# KiCad board Ultrasonic Sound Steering - Control Rev. B.kicad_pcb (continued)
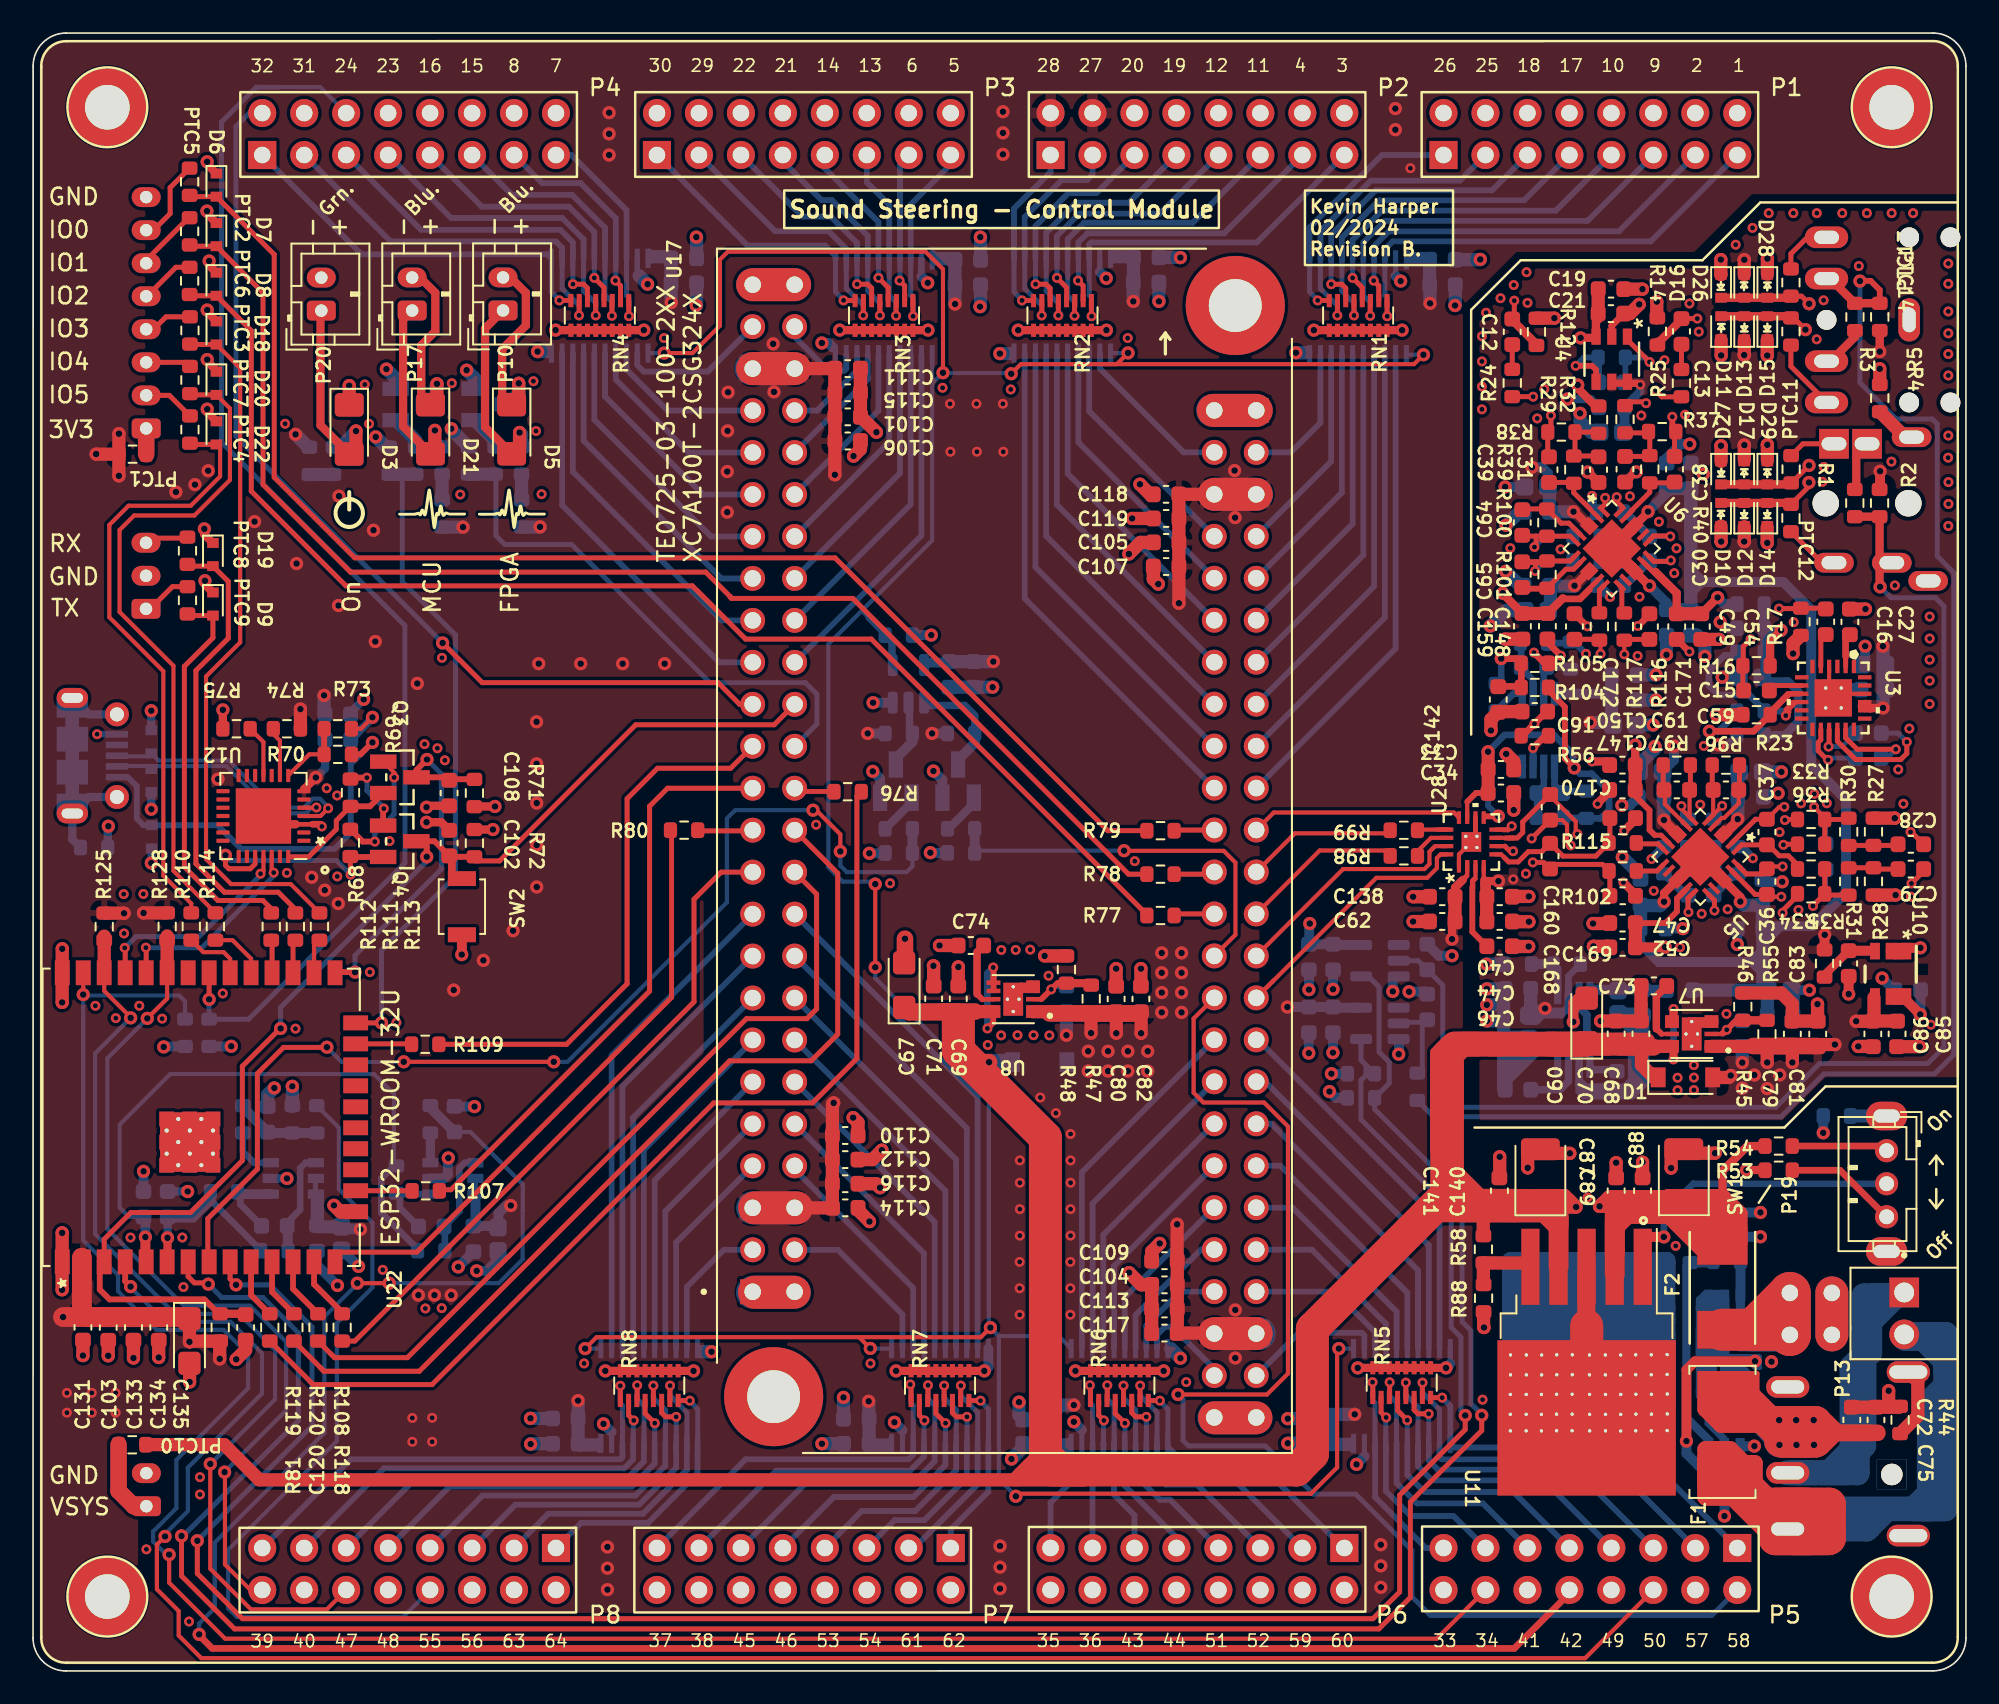
[diagram p0: board, top side]
## Routing (per net, layer and track width the routed paths; a pad name or vN(x,y) marks a point on that pad's centre or on a via; arc(x,y) is an arc through that point) (continued)
MCU_IO1: length 40.6
  Top w0.25: R114.2 11.04,45.89 8.5,48.43 8.5,60.84 5.24,64.1 5.24,69.06 6.12,69.94 9.77,69.94 11.92,72.09 11.92,76.42 D20.2
  Top w0.3: D20.2 9.57,77.24 PTC7.2
MCU_IO2: length 37.1
  Top w0.25: D22.2 11.32,74.02 11.32,72.31 9.55,70.53 5.78,70.53 4.62,69.37 4.62,63.78 7.89,60.51 7.89,48.14 9.58,46.45 R110.2
  Top w0.3: D22.2 9.57,74.24 PTC4.2
MCU_PWM_BUFF_DIS: length 67.8
  Top w0.25: v1(48.86,49.61) 48.86,50.65 47.4,52.1 v1(47.21,52.1) ; v1(22.44,36.87) v1(31.52,36.87)
  Top w0.3: 10.58,25.01 10.58,27.38 13.58,30.38 13.58,36.16 15.16,37.74 17.77,37.74 v1(17.79,37.76)
  Bottom w0.2: R82.1 53.23,49.87
  Bottom w0.25: R82.1 53.23,48.71 52.87,48.35 49.26,48.35 48.86,48.75 v1(48.86,49.61) ; v1(22.44,36.87) 22.43,36.86 18.68,36.86 v1(17.79,37.76) ; v1(47.21,52.1) 42.5,52.1 42,51.6 42,46.52 32.35,36.87 v1(31.52,36.87)
  Bottom w0.6: R82.1 R83.1
NTC: length 133.1
  Top w0.25: v1(21.56,23.47) v1(19.63,23.47)
  Top w0.4: v1(10.05,2.21) 10.05,2.16 10.85,1.36 89.66,1.36 92.99,4.7
  Top w0.5: P5.10 92.99,4.7
  Bottom w0.25: C3.2 26.48,32.63 29.64,29.46 29.64,27.87 29.64,27.87 29.64,24.92 28.19,23.47 v1(21.56,23.47) ; 24.05,34.09 R8.2 24.05,34.14 ; v1(19.63,23.47) 19.63,23.43 17.64,21.44 17.64,14.41 11,7.77 11,3.81 10.05,2.87 v1(10.05,2.21)
  Bottom w0.6: C3.2 24.05,34.09 24.05,34.14
NTC_BUFF: length 38.7
  Top w0.6: U22.5 6.8,24.81 v1(6.8,26.26)
  Bottom w0.25: 6.8,27.37 C14.2 5.81,27.48 5.25,28.04 5.25,33.07 8.31,36.13 20.64,36.13 21.84,34.93 21.84,30.57
  Bottom w0.4: 21.84,30.57 21.08,29.81 21.08,27.74 23.28,25.54 R10.2
  Bottom w0.6: 21.84,30.57 R20.2 ; v1(6.8,26.26) 6.8,27.37
OE~: length 209.3
  Top w0.25: v1(50.98,42.59) v1(50.98,47.63) 50.98,47.56 ; v1(59.21,78.52) 59.79,79.1 83.59,79.1 v1(84.16,79.67) ; v1(33.42,19.51) 34.11,20.2 50,20.2 ; 50,20.2 57.37,20.2 v1(57.95,20.78) 57.96,20.77 ; 50,20.2 v1(50.68,19.52) ; v1(55.08,78.58) 55.08,84.85 54.02,85.91 42.06,85.91 41.58,85.43 41.58,81.43 39.92,79.77 v1(38.2,79.77) ; 64.66,79.1 65.6,79.1 v1(66.28,79.78) ; v1(59.49,10.57) 59.65,10.73 77.35,10.73 78.93,12.32 78.93,19.41 v1(79.04,19.51)
  Bottom w0.2: 51.84,62.44 R123.1
  Bottom w0.25: v1(59.49,10.57) 58.46,11.6 58.46,20.27 ; v1(33.42,19.51) U20.1 ; v1(79.04,19.51) U13.1 ; U21.1 v1(38.2,79.77) ; U15.1 50.69,19.51 v1(50.68,19.52) ; v1(50.98,47.63) 50.83,47.77 49.01,47.77 48.14,48.64 48.14,62.15 54.42,68.44 54.42,77.77 ; v1(57.95,20.78) 58.46,20.27 ; v1(57.95,20.78) 57.85,20.88 57.85,35.06 50.98,41.93 v1(50.98,42.59) ; v1(57.95,20.78) 58.11,20.62 ; v1(57.95,20.78) 58.46,20.27 ; 58.46,20.27 62.07,20.27 U18.1 ; 54.42,77.77 U16.1 ; 54.42,77.77 54.42,77.93 55.06,78.56 59.17,78.56 v1(59.21,78.52) ; v1(66.28,79.78) 66.27,79.77 U19.1 ; R123.1 51.58,62.75 50.21,64.12 50.21,64.22 ; v1(84.16,79.67) U14.1
  Bottom w0.4: 51.58,62.75 50.59,63.74
  Bottom w0.45: U25.4 51.99,60.93 51.99,62.29 51.84,62.44
RST~: length 79.5
  Top w0.25: Q4.3 23.85,50.22 ; 25.8,47.96 25.91,48.07 ; 25.24,49.28 C102.2
  Top w0.3: 26.76,49.03 28.24,49.03 36.48,57.27 44.86,57.27 46.1,58.51 ; U22.3 4.31,26.13 5.93,27.75 9.53,27.75 12.67,30.89 12.67,36.6 14.96,38.89 v1(14.99,38.89)
  Top w0.35: 4.23,25.01 4.04,24.82 4.04,23.08 4.63,22.49 7.68,22.49 7.71,22.46 ; 23.83,49.48 23.83,49.07 ; 23.83,49.6 23.83,49.19 ; 6.06,22.49 10.37,22.49 11.25,21.62 ; R72.2 25.24,49.28 ; Q4.3 24.3,50.22 C102.2 ; 23.83,49.87 23.83,49.46 ; 23.83,49.55 v1(23.83,49.28) 23.83,49.69 ; 23.83,49.47 23.83,49.06
  Top w0.45: 25.35,48.08 25.35,48.85 ; 25.35,48.58 25.35,49.34
  Top w0.5: 11.15,21.62 12.64,21.62
  Bottom w0.3: 23.86,49.26 v1(23.83,49.28) 23.83,49.01 14.99,40.17 v1(14.99,38.89)
RTS: length 14.2
  Top w0.25: 19.21,48.22 v2(19.23,48.2) ; 13.45,49.3 13.45,48.85 ; 19.23,49.27 R68.1
  Top w0.3: v1(11.65,49.37) 11.65,48.77 11.86,48.56 13.15,48.56 13.45,48.85 ; R68.1 19.21,48.22
  Top w0.35: Q4.2 19.23,49.27
  Bottom w0.3: v1(11.65,49.37) 11.96,49.06 18.37,49.06 v2(19.23,48.2)
SPI_CS~: length 33.1
  Top w0.3: 24.48,37.93 32.3,37.93 35.96,41.59 35.96,52.8 37.8,54.64 42.23,54.64 U17.27_1
SPI_MISO: length 36.6
  Top w0.3: R80.2 38.65,50.83 38.65,40.77 23.23,25.35 18.54,25.35
SPI_MOSI: length 35.7
  Top w0.3: 24.51,29.13 25.29,29.13 37.32,41.15 37.32,52.34 38.41,53.43 U17.25_1
  Top w0.35: 24.51,29.06 24.51,29.13
SPI_SCK: length 40.2
  Top w0.3: R108.2 19.47,19.97 40.01,40.5 40.01,46.71 41.65,48.35 U17.21_1
stereo_avg_n: length 22.9
  Top w0.25: v2(93.48,50.66) 93.38,50.76 93.38,51.41 92.06,52.73 91.93,52.73 ; R117.1 94.65,62.24 ; R117.1 94.76,62.45 ; R117.1 94.88,62.33 v2(94.88,61.57) ; U28.7 89.84,50.43
  Top w0.3: C168.1 90.17,51.39 90.17,50.75 89.84,50.43 ; 89.37,50.42 89.82,50.42 ; C172.2 94.76,62.45 ; 89.12,50.42 89.57,50.42
  In1.Cu w0.25: v2(93.48,50.66) 93.8,50.98 93.8,51.73 93.51,52.02 93.51,53 94.99,54.47 94.99,61.46 v2(94.88,61.57)
stereo_avg_p: length 23.6
  Top w0.25: v2(96.32,61.54) R116.1 96.37,62.44 ; v2(93.07,49.97) 92.85,50.19 92.85,51.21 92.56,51.51 C168.2 91.92,51.59 91.93,51.59 ; U28.8 89.3,50.93
  Top w0.3: 88.97,50.92 89.28,50.92 v2(89.5,51.13) 89.3,50.93 ; C171.1 96.37,62.44 ; v2(90.71,50.39) 91.82,51.51 C168.2
  In1.Cu w0.25: v2(93.07,49.97) 93.67,49.97 94.25,50.55 94.25,51.92 93.96,52.2 93.96,52.81 95.44,54.29 95.44,61.24 95.73,61.54 v2(96.32,61.54) ; 89.66,50.97 v2(89.5,51.13)
  In1.Cu w0.3: 89.66,50.97 90.13,50.97 v2(90.71,50.39)
TX_ACTIVE: length 57.9
  Top w0.3: U17.29_1 42.77,58.51 41.46,59.82 27.19,59.82 v1(24.79,62.23)
  Bottom w0.3: 13.08,94.3 12.28,93.5 12.28,74.74 v1(24.79,62.23)
UART_RX: length 28.2
  Top w0.25: 9.45,66.88 PTC8.2
  Top w0.3: 9.45,66.88 D19.2 11.82,65.95 11.82,62.51 9.86,60.55 9.86,48.86 11.58,47.14 14.84,47.14 15.88,46.1 15.88,45.89
UART_TX: length 23.8
  Top w0.25: 9.45,63.88 PTC9.2
  Top w0.3: 14.42,46.13 13.91,46.64 11.19,46.64 9.16,48.67 9.16,60.81 10.89,62.54 D9.2 9.45,63.88
VCM: length 109.9
  Top w0.2: C147.1 96.98,53.06
  Top w0.25: U6.17 98.11,66.45
  Top w0.3: U6.11 93.63,64.95 93.65,64.93 ; U5.11 98.54,50.59 98.16,50.59 ; 98.88,65.71 97.41,67.18 ; C148.1 91.68,64.01
  Top w0.35: C47.1 98.8,45.27 99.5,45.97 99.5,46.76 99.66,46.92 ; 98.16,50.59 97.84,50.91 97.84,52.1 96.98,52.96 96.98,53.06 ; 92.6,64.93 92.64,64.89 ; R32.1 94.76,76.58 ; 99.68,46.94 99.84,47.1 ; 94.53,80.69 U4.3 ; 99.97,47.23 100.13,47.39 ; 99.8,47.06 99.96,47.22
  Top w0.356: v1(98.79,43.81) 98.25,43.81 98.23,43.83
  Top w0.4: 92.64,64.89 93.64,64.89 94.21,65.46
  Top w0.45: 90.15,64.01 C159.1
  Top w0.5: C54.1 v1(101.96,64.98) ; 91.68,64.01 92.6,64.93 ; 98.2,66.53 99.49,65.24 C49.1 ; 90.15,64.01 88.96,65.21 v1(88.96,65.24) ; v1(93.5,77.84) 93.5,77.64 94.56,76.58 94.76,76.58 ; v1(96.98,56.04) C150.1 ; C21.1 94.73,81.81 94.6,81.67 94.6,80.78 U4.3 ; v1(93.67,80.69) 94.53,80.69
  Top w0.6: v1(98.79,43.81) 98.78,43.8 C52.1
  Top w0.8: C49.1 C54.1 ; C52.1 96.99,45.27 C47.1 ; 96.98,53.38 96.98,54.85 ; C148.1 90.15,64.01 ; C21.1 94.74,82.17 C19.1
  In2.Cu w0.35: 97.35,64.02 97.32,63.99
  In2.Cu w0.5: v1(93.67,80.69) 92.62,79.64 92.62,78.34 ; v2(94,61.56) 93.55,61.56 93.34,61.35 93.34,60.11 ; 93.34,60.11 93.36,60.09 ; 93.34,60.11 97.19,56.26 97.19,55.43 ; 93.34,60.11 93.34,63.75 93.35,63.76 ; v1(88.96,65.24) 88.96,65.21 88.23,64.48 ; 95.23,64 91.53,64 ; 97.31,64 93.61,64 93.31,63.7 ; 93.65,63.97 93.35,63.67 93.02,64 88.71,64 88.22,64.49 88.22,75.72 90.85,78.34 93,78.34 v1(93.5,77.84) ; 97.2,64 100.99,64 v1(101.96,64.98) ; v1(98.79,43.81) 98.27,43.81 97.19,44.89 97.19,55.83 v1(96.98,56.04)
  In2.Cu w0.6: 96.84,56.39 96.84,55.87 ; 96.88,56.47 96.88,56.14 v1(96.98,56.04) 96.84,55.9 96.84,55.64 97.05,55.43 ; 96.84,56.49 96.84,56.23
  Bottom w0.2: 93.27,62.29 R122.1 92.99,62.22
  Bottom w0.4: 93.27,62.29 v2(94,61.56) ; R121.2 92.99,62.22
  Bottom w0.6: R15.2 102.36,64.58 v1(101.96,64.98)
VDRIVE_BUFF: length 10.9
  Top w0.5: v1(8.14,26.22) 8.14,25.03
  Bottom w0.25: R11.2 13.78,25.46
  Bottom w0.4: R11.2 13.78,25.47 10.73,28.52 R21.2
  Bottom w0.5: v1(8.14,26.22) 8.15,26.23 C17.2 8.18,27.44
  Bottom w0.6: 8.1,27.44 9.67,27.44 10.73,28.51 R21.2 10.7,28.96
Net-(C4-Pad2): length 5.1
  Bottom w0.25: 12.7,34.21 R9.1 ; 14.2,32.72 14.19,32.72
  Bottom w0.6: 14.19,32.72 14.1,32.72 12.7,34.12 12.7,34.21 ; R6.2 14.2,32.57
Net-(C5-Pad1): length 4.7
  Bottom w0.4: C5.1 22.2,28.03 22.2,28.65 22,28.86 ; 22.15,29.01 22.3,28.86 U1.1
  Bottom w0.6: 22,28.86 22.15,29.01
Net-(C5-Pad2): length 6.5
  Bottom w0.25: 24.93,26.85 C5.2
  Bottom w0.4: R10.1 24.93,26.85 ; C5.2 25.81,27.83 25.81,30.44 26.13,30.76 U1.4
Net-(C6-Pad1): length 14.6
  Top w0.5: R16.2 105.14,62.33 v1(105.81,62.99)
  Bottom w0.25: 104.78,60.33 104.78,60.22
  Bottom w0.5: 104.81,62.87 104.81,59.9 106.23,59.9 106.84,59.29 106.84,57.46 106.03,56.64 104.78,56.64
  Bottom w0.6: v1(105.81,62.99) 104.91,62.99 104.78,63.12 104.78,64.58
Net-(C7-Pad1): length 5
  Bottom w0.25: R21.1 12.52,28.86
  Bottom w0.4: 12.54,28.5 12.54,28.25 13.83,26.96 C7.1 ; 12.54,28.48 12.54,29.09
  Bottom w0.6: U2.1 12.52,28.86 12.38,29
Net-(C7-Pad2): length 6.4
  Bottom w0.25: 15.38,25.49 15.43,25.44 ; 15.69,27.25 C7.2 ; U2.4 16.83,30.76
  Bottom w0.4: 15.59,27.35 16.17,27.92 16.17,30.43 16.5,30.76 16.83,30.76
  Bottom w0.6: 15.38,25.49 15.41,25.52 15.41,26.91 C7.2
Net-(C12-Pad1): length 28.5
  Top w0.25: R12.2 91,80.37 ; 106.4,83.22 106.31,83.12 ; 90.96,80.29 91.01,80.24
  Top w0.3: 89.53,82.98 89.66,82.85 89.66,81.96 ; v1(107.5,82.76) 107.04,83.22 106.4,83.22
  Top w0.35: 89.56,82.95 v2(89.66,82.95)
  Top w0.5: 106.31,83.12 D16.1 ; C12.1 89.53,81.78 90.94,80.37 91,80.37
  In2.Cu w0.3: v2(89.66,82.95) 91.08,84.37 100.29,84.37 102.38,82.28 107.03,82.28 v1(107.5,82.76)
  Bottom w0.5: 89.66,82.95 v2(89.66,82.95)
Net-(C12-Pad2): length 1.5
  Top w0.3: R24.2 C12.2
Net-(C13-Pad1): length 21.8
  Top w0.25: 106.57,81.9 PTC14.1 106.3,82 ; 98.34,80.31 98.28,80.25
  Top w0.3: v1(107.28,81.19) 106.57,81.9 ; 98.32,80.46 R14.2 ; 100.84,81.86 99.72,81.86
  Top w0.35: 99.69,81.86 99.63,81.92
  Top w0.4: 98.28,80.25 98.21,80.25
  Top w0.5: 99.72,81.86 99.72,81.74 98.44,80.46 98.32,80.46 ; D11.1 106.3,82
  In2.Cu w0.3: v1(107.28,81.19) 106.69,81.78 102.13,81.78 100.06,83.85 99.33,83.85 99.03,83.56 99.03,82.11 99.28,81.86 v2(100.74,81.86)
Net-(C13-Pad2): length 1.5
  Top w0.3: R25.2 99.78,78.78 C13.2
  Top w0.35: 99.68,78.78 99.67,78.78 ; 99.64,80.36 99.63,80.37
Net-(C15-Pad1): length 21.2
  Top w0.25: 106.44,71.92 106.41,71.92 106.32,71.82 ; 103.52,60.87 R16.1
  Top w0.3: 103.52,60.87 103.52,62.01 v2(103.96,62.45) ; R16.1 103.49,59.4 ; v1(107.5,72.97) 106.44,71.92
  Top w0.5: 106.32,71.82 D27.1
  In2.Cu w0.3: v1(107.5,72.97) 107.27,72.97 105.72,71.42 105.72,65.28 103.96,63.52 v2(103.96,62.45)
Net-(C15-Pad2): length 2.1
  Top w0.3: U3.8 105.39,59.65 C15.2
Net-(C16-Pad1): length 17.6
  Top w0.25: 106.98,64.31 R17.2 ; 108.46,64.33 C16.1 ; 106.31,70.7 PTC12.1
  Top w0.3: v2(105.68,64.31) 106.98,64.31 ; v1(107.49,71.94) 107.49,71.7 PTC12.1 ; R17.2 108.46,64.33
  Top w0.5: D10.1 106.31,70.7
  In2.Cu w0.3: v1(107.49,71.94) 106.95,71.94 106.22,71.21 106.22,64.84 v2(105.68,64.31)
Net-(C16-Pad2): length 2.2
  Top w0.25: 108.51,62.83 C16.2 108.42,62.73
  Top w0.3: C16.2 108.21,62.44 U3.5
Net-(C22-Pad1): length 19.6
  Top w0.3: 99.71,77.12 98.59,77.12 ; 90.69,77.14 R24.1 ; 98.59,77.13 98.21,77.5
  Top w0.35: v2(90.8,77.13) 90.79,77.14 ; 98.21,77.5 v2(98.21,77.51) ; U4.4 94.61,78.76 94.36,79 v2(93.37,79) ; 99.63,77.22 99.59,77.26
  In1.Cu w0.3: v2(90.8,77.13) 90.8,79.63 91.33,80.16 92.44,80.16 93.37,79.23 v2(93.37,79) 93.38,78.99 97.11,78.99 98.21,77.89 v2(98.21,77.51)
  Bottom w0.35: C22.1 94.78,79.45 R26.2 93.87,79.5 v2(93.37,79)
Net-(C22-Pad2): length 10.6
  Top w0.3: v2(97.63,76.74) 97.55,76.82 96.59,76.82 ; v2(97.84,79.24) 96.51,80.57
  Top w0.35: 96.59,76.82 R29.1 ; 96.51,80.57 U4.1
  In1.Cu w0.3: v2(97.84,79.24) 98.99,78.09 98.99,77.31 98.42,76.74 v2(97.63,76.74)
  Bottom w0.35: C22.2 96.38,78.05 R26.1 97.58,79.5 v2(97.84,79.24)
Net-(C24-Pad1): length 3
  Top w0.25: 108.71,55.98 v2(108.68,55.95)
  Top w0.3: U3.15 108.71,55.98
  Bottom w0.25: C24.1 109.5,55.95
  Bottom w0.3: 109.5,55.95 v2(108.68,55.95)
Net-(C24-Pad2): length 18.4
  Top w0.25: C29.1 114.44,48.41
  Top w0.3: 114.44,48.41 v2(113.7,47.67) ; v2(113.42,56.24) 113.42,55.54 113.05,55.17 110.32,55.17 109.21,56.28 U3.16
  In2.Cu w0.3: v2(113.7,47.67) 113.7,49.92 114.38,50.6 114.38,54.89 113.42,55.86 v2(113.42,56.24)
  Bottom w0.3: v2(113.42,56.24) 112.88,56.77 C24.2
Net-(C25-Pad1): length 3.9
  Top w0.25: 108.6,55.15 v2(108.65,55.15)
  Top w0.3: 108.6,55.15 108.06,55.69 108.06,56.21 108.21,56.37 U3.14
  Bottom w0.25: 108.76,55.26 v2(108.65,55.15)
  Bottom w0.3: C25.1 108.76,55.26
Net-(C25-Pad2): length 11.7
  Top w0.25: 113.71,50.77 113.66,50.77 v2(113.64,50.78)
  Top w0.3: U3.17 109.71,56.49 110.41,55.79 v2(112.75,55.79) ; C28.1 113.71,50.77
  In1.Cu w0.25: 112.78,55.78 112.76,55.78 v2(112.75,55.79)
  In2.Cu w0.3: v2(113.64,50.78) 113.88,51.02 113.88,54.66 v2(112.75,55.79)
  Bottom w0.25: C25.2 111.86,55.26
  Bottom w0.3: 111.86,55.26 112.22,55.26 v2(112.75,55.79)
Net-(C27-Pad2): length 2
  Top w0.3: U3.2 109.71,61.41
  Top w0.4: 109.71,61.41 109.71,62.47 109.97,62.73
Net-(C28-Pad2): length 3
  Top w0.25: 112.82,49.97 C28.2 ; 109.9,49.97 R30.1
  Top w0.3: 109.9,49.97 R27.1 112.82,49.97
Net-(C29-Pad2): length 3
  Top w0.25: 111.48,48.54 R28.2 ; 109.9,48.62 R31.1
  Top w0.3: R28.2 109.9,48.62 ; C29.2 111.48,48.54
Net-(C30-Pad2): length 4.5
  Top w0.3: R29.2 97.71,74.94 ; C30.2 97.81,73.52 ; R40.1 97.86,74.94
  Top w0.35: 97.71,74.94 R37.1 97.86,74.94 ; 97.81,73.52 R40.1
Net-(C31-Pad1): length 4.5
  Top w0.3: 93.33,73.62 R38.1 94.68,74.99 ; R39.1 94.71,73.54
  Top w0.35: 94.71,73.54 C31.1 ; 93.33,73.62 R39.1 ; 94.68,74.99 94.76,74.92
Net-(C32-Pad1): length 6.5
  Top w0.25: 108.53,46.96 R35.1 ; 107.73,46.33 v2(107.73,46.3)
  Top w0.3: R31.2 108.53,46.96 ; R34.1 R35.1 107.73,46.33
  Bottom w0.3: v2(107.73,46.3) 108.5,47.07 C32.1
Net-(C32-Pad2): length 6.5
  Top w0.25: R36.1 108.45,51.65 v2(107.81,52.29) ; 109.82,51.54 R30.2
  Top w0.3: 109.82,51.54 R36.1 R33.1
  Bottom w0.3: v2(107.81,52.29) 108.5,51.6 108.5,50.07
Net-(C36-Pad1): length 10.2
  Top w0.25: v2(105.82,46.86) 105.09,46.86 C36.1 105,46.96 ; 104.91,47.06 104.87,47.02
  Top w0.3: v2(106.04,51.51) 106.07,51.54 R36.2 106.85,51.6 ; U5.23 102.81,48.43 104.24,47.01 C36.1
  In2.Cu w0.3: v2(105.82,46.86) 106.03,46.86 106.72,47.56 106.72,51.08 106.29,51.51 v2(106.04,51.51)
Net-(C36-Pad2): length 5.4
  Top w0.25: v2(105.9,48.69) 105.09,48.69 C36.2 104.88,48.49 ; 104.87,48.51 104.87,48.57
  Top w0.3: U5.24 103.32,48.63 103.32,48.62 103.7,48.24 104.64,48.24 104.88,48.49 ; R33.2 105.98,50.04 v2(105.95,50.01)
  In1.Cu w0.3: v2(105.9,48.69) 105.92,48.71 105.92,49.98 v2(105.95,50.01)
Net-(C37-Pad1): length 4.5
  Top w0.25: 105.06,50.01 C37.1
  Top w0.3: C37.1 103.41,50.01 U5.1 ; 105.06,50.01 105.06,49.98 105.7,49.34 106.25,49.34 106.8,48.79 R34.2
Net-(C37-Pad2): length 13.3
  Top w0.25: v2(106,52.31) 105.7,52.31 C37.2 105.02,51.48
  Top w0.3: U5.2 104.26,51.56 C37.2 ; v2(105.9,45.89) 105.9,46.03 106.8,46.93 R35.2
  In1.Cu w0.3: v2(105.9,45.89) 105.88,45.91
  In2.Cu w0.3: v2(105.9,45.89) 105.9,46.03 107.22,47.35 107.22,51.28 106.2,52.31 v2(106,52.31)
Net-(C38-Pad1): length 4.2
  Top w0.25: U6.23 96.59,70.03 96.59,70.04
  Top w0.3: 96.59,70.04 96.79,70.24 96.79,70.27 97.86,71.34 97.86,71.92 99.31,71.92
  Top w0.35: 99.31,71.92 C38.1
Net-(C38-Pad2): length 10.8
  Top w0.3: 95.86,71.05 v2(95.86,71.05) 95.86,70.79 96.18,70.47 ; C38.2 99.36,74.94
  Top w0.35: 99.36,74.94 R37.2 99.22,75.23 v2(99.22,75.92)
  In1.Cu w0.3: v2(95.86,71.05) 95.8,71.11
  In2.Cu w0.3: v2(99.22,75.92) 98.27,74.97 96.05,74.97 95.8,74.72 95.8,71.11
Net-(C39-Pad1): length 11
  Top w0.3: R38.2 91.68,73.57 ; 95,70.46 95.16,70.62 v2(95.16,71.01) ; 91.87,75.18 v2(91.87,75.99)
  Top w0.35: 91.68,73.57 C39.1 ; 95.19,70.97 v2(95.16,71.01) ; R38.2 91.87,75.18
  In1.Cu w0.3: v2(95.16,71.01) 95.3,71.15
  In2.Cu w0.3: 95.3,71.15 95.3,74.69 95.05,74.94 92.92,74.94 v2(91.87,75.99)
Net-(C39-Pad2): length 4.2
  Top w0.25: U6.2 94.28,70.28 94.28,70.3
  Top w0.3: 94.28,70.3 93.26,71.32 R39.2 ; 93.21,71.94 C39.2
  Top w0.35: R39.2 93.21,71.94
Net-(C42-Pad2): length 2.5
  Top w0.35: v1(88.69,51.74) 88.68,51.75 ; 88.71,51.73 87.87,51.73
  Bottom w0.35: v1(88.69,51.74) 88.07,52.36 C42.2
Net-(C46-Pad2): length 6
  Top w0.25: C46.2 87.99,43.87 87.41,44.45 ; 87.31,47.95 87.31,48.75
  Top w0.3: 87.14,47.58 87.14,47.39 ; 87.23,47.92 87.14,47.82 87.14,47.63 ; 87.19,47.88 87.29,47.97 ; 87.14,47.73 87.14,47.54
  Top w0.35: 87.12,47.47 87.12,44.74 87.66,44.2
Net-(C55-Pad1): length 4.2
  Top w0.3: v2(101.77,46.03) 101.77,46.65 U5.19
  Bottom w0.25: C55.1 101.77,46.92 ; R41.2 103.02,48.25
  Bottom w0.3: 101.77,46.92 v2(101.77,46.03)
  Bottom w0.5: 103.32,48.42 103.2,48.42 ; 103.02,48.25 C55.1
Net-(C55-Pad2): length 1.4
  Bottom w0.25: 101.74,49.9 R92.2
  Bottom w0.4: C55.2 R92.2
Net-(C56-Pad1): length 5
  Top w0.25: U5.18 100.2,46.79
  Top w0.3: 100.18,46.77 100.55,47.14 ; 100.17,46.77 100.17,45.91
  Bottom w0.25: 98.71,48.45 R43.2 98.75,48.25 ; 100.05,46.96 C56.1 ; 100.17,45.96 v2(100.2,45.93)
  Bottom w0.3: C56.1 100.17,45.96
  Bottom w0.5: 98.75,48.25 100.05,46.96
Net-(C56-Pad2): length 1.4
  Bottom w0.25: 100.16,49.9 R93.2
  Bottom w0.4: R93.2 C56.2
Net-(C57-Pad1): length 4.8
  Top w0.25: v2(99.1,68.67) 99.07,68.7
  Top w0.3: U6.19 98.09,68.7 99.07,68.7
  Bottom w0.25: 96.28,70.14 96.37,70.14 ; 99.09,68.68 v2(99.1,68.67)
  Bottom w0.3: C57.1 99.09,68.68
  Bottom w0.5: C57.1 97.84,68.69 96.39,70.14 96.37,70.14
Net-(C57-Pad2): length 1.4
  Bottom w0.25: 96.28,68.68 C57.2
  Bottom w0.4: R95.2 C57.2
Net-(C58-Pad1): length 5.3
  Top w0.25: v2(99.13,67.22) 99.07,67.16
  Top w0.3: U6.18 98.11,67.16 99.07,67.16
  Bottom w0.25: 96.38,65.72 R87.2 96.29,65.76 ; 99.08,67.18 v2(99.13,67.22)
  Bottom w0.3: 99.08,67.18 C58.1 97.84,66.86
  Bottom w0.5: C58.1 97.83,67.18 96.38,65.73 96.38,65.72
Net-(C58-Pad2): length 1.4
  Bottom w0.4: R94.2 C58.2
Net-(C59-Pad1): length 5.9
  Top w0.25: v2(102.24,52.37) U5.6 101.69,51.82 C59.1 101.64,53.39
  Top w0.3: R96.2 101.64,53.39
  Bottom w0.3: v2(102.24,52.37) 102.05,52.17 102.05,51.88 R92.1 ; 102.05,51.65 102.05,51.94
Net-(C59-Pad2): length 4.4
  Top w0.25: 102.36,51.63 102.21,51.63 U5.5 ; 102.35,51.63 103.24,52.52 C59.2 103.29,53.38
  Top w0.3: R96.1 103.29,53.38
Net-(C61-Pad1): length 4.2
  Top w0.25: 98.67,53.38 C61.1 98.77,53.28 98.77,52.47 100.07,51.17 U5.8
  Top w0.3: R97.2 98.67,53.38
Net-(C61-Pad2): length 5.9
  Top w0.25: v2(99.77,52.35) 99.77,52.19 U5.7 100.27,51.69 C61.2 100.32,53.38
  Top w0.3: R97.1 100.32,53.38
  Bottom w0.3: v2(99.77,52.35) 99.85,52.28 99.85,51.88 R93.1 ; 99.85,51.61 99.85,52.01
Net-(C64-Pad1): length 6.6
  Top w0.25: 93.05,68.69 U6.6
  Top w0.3: 90.98,68.69 90.98,68.13 v2(90.88,68.03) ; 90.98,68.69 91.59,68.69 ; 90.98,68.69 90.14,68.69 ; R100.2 93.05,68.69
  Top w0.35: 91.59,68.69 91.65,68.75
  Bottom w0.3: R95.1 91.52,68.68 v2(90.88,68.03)
Net-(C64-Pad2): length 4.2
  Top w0.3: U6.5 92.96,69.48 92.49,69.48 R100.1 ; 90.14,70.34 91.6,70.34
  Top w0.35: 91.6,70.34 91.65,70.3
Net-(C65-Pad1): length 4.2
  Top w0.3: U6.8 93.25,66.69 92.79,66.69 R101.2
  Top w0.35: 90.14,65.51 91.58,65.51 91.64,65.57
Net-(C65-Pad2): length 6.4
  Top w0.3: 90.94,67.12 90.94,66.61 v2(90.92,66.58) ; U6.7 93.04,67.19 R101.1
  Top w0.35: 91.64,67.12 90.18,67.12 90.14,67.16
  Bottom w0.3: v2(90.92,66.58) 91.51,67.18 R94.1
Net-(C72-Pad2): length 214.4
  Top w0.25: 109.12,14.42 109.19,14.35
  Top w0.3: 104.35,17.99 104.35,16.57 ; 103.92,17.89 103.92,16.47 ; 103.77,17.86 103.77,16.44 ; 104.11,17.87 104.11,16.45 ; 102.93,18 104.35,18 ; 103.77,18 103.77,16.58
  Top w0.4: 107.5,14.23 110.12,14.23 ; 107.8,14.42 108.67,14.42 108.74,14.35 ; 108.55,13.47 109.12,14.04 ; 108.72,15.31 109.57,14.46 ; 109.01,14.59 111.63,14.59 ; 108.94,14.23 111.56,14.23 ; 109.19,14.35 111.81,14.35 ; 108.58,14.66 111.19,14.66 ; 108.41,13.32 109.26,14.17 ; 108.74,15.13 109.31,14.56 ; 108.45,15.58 109.3,14.73 ; 108.71,14.17 111.32,14.17 ; 107.43,14.36 110.05,14.36 ; 108.98,14.54 111.6,14.54 ; 107.4,14.59 110.02,14.59 ; 108.65,13.56 109.5,14.41
  Top w1: 103.29,17.49 106.33,14.46 ; 102.64,16.93 105.67,13.9 ; 103.16,17.44 106.19,14.41 ; 101.79,15.36 104.33,15.36 ; 102.52,16.9 105.55,13.87 ; 109.02,14.41 111.64,14.41 ; 103.78,15.86 101.24,15.86 102.19,14.91 104.56,14.91 ; 108.6,14.41 111.22,14.41
  Top w2: 107.86,14.64 106.38,14.64 ; 107.77,14.54 107.59,14.36 ; 107.77,14.54 107.74,14.51 ; 107.77,14.54 107.65,14.66 ; 107.89,14.49 106.41,14.49 ; 107.88,14.54 106.4,14.54 ; 107.82,15.01 106.34,15.01 ; 107.88,13.92 106.4,13.92 ; 107.34,13.92 105.86,13.92 ; 106.38,14.36 107.87,14.36 107.89,14.38 ; 107.28,14.65 105.8,14.65 ; 105.94,14.66 106.31,14.66 ; 107.46,15.03 105.98,15.03 ; 107.72,14.36 106.24,14.36 ; 107.33,14.5 105.85,14.5 ; 107.65,15.03 106.17,15.03 ; 107.77,14.66 106.34,14.66 ; 107.88,15.03 106.4,15.03 ; 107.89,14.58 106.41,14.58 ; 107.78,14.36 106.46,14.36 ; 107.85,14.66 106.37,14.66 ; 105.78,15.03 105.78,14.26 ; 107.89,14.03 107.89,14.66 ; 107.64,14.54 106.48,14.54 ; 107.83,15.03 106.35,15.03 ; 107.31,14.56 105.83,14.56 ; 107.29,14.31 105.81,14.31 ; 105.78,13.92 105.78,14.69 105.85,14.76 ; 107.86,14.58 106.38,14.58 ; 107.88,14.82 106.4,14.82 ; 105.1,15.03 107.85,15.03 ; 107.54,13.92 106.06,13.92 ; 107.26,15.03 105.78,15.03 ; 107.81,14.66 105.93,14.66 ; 107.46,13.92 105.98,13.92 ; 107.89,13.92 107.89,14.55
  Bottom w0.25: Q5.6 Q5.1 Q5.2 Q5.5 Q5.6
  Bottom w0.5: 102.38,18.33 103.4,18.33 ; 102.54,14.91 103.56,14.91 ; 102.37,14.91 103.39,14.91
  Bottom w2: 107.88,14.46 106.4,14.46 ; 107.88,14.56 107.86,14.58 106.37,14.58 ; 107.88,14.36 106.4,14.36 ; 105.65,14.56 105.93,14.28 106.3,14.28 ; 103.13,16.71 103.13,17.38 ; 107.77,14.58 106.45,14.58 ; 106.97,15.02 105.49,15.02 ; 107.84,14.29 106.36,14.29 ; 107.8,14.29 105.92,14.29 ; 107.76,14.41 107.73,14.44 105.75,14.44 105.53,14.65 105.42,14.65 ; 107.76,14.41 107.58,14.59 105.7,14.59 ; 107.76,14.41 107.64,14.29 ; 107.88,14.91 107.88,14.28 ; 107.87,14.12 106.39,14.12 ; 105.7,14.58 107.58,14.58 107.76,14.4 ; 107.87,15.03 106.39,15.03 ; 107.88,14.92 107.88,14.29 ; 107.87,13.91 106.39,13.91 ; 107.81,13.93 106.33,13.93 ; 107.45,13.92 105.97,13.92 ; 107.71,14.58 106.23,14.58 ; 107.77,14.59 106.45,14.59 ; 107.88,14.37 106.4,14.37 ; 107.63,14.41 106.47,14.41 ; 107.88,15.03 107.88,14.4 ; 107.88,15.02 107.88,14.39 ; 107.76,14.28 106.33,14.28 ; 103.12,15.9 103.12,16.57 ; 106.3,14.29 105.93,14.29 105.65,14.57 ; 107.64,13.92 106.16,13.92 ; 107.25,13.91 105.77,13.91 ; 107.82,13.91 106.34,13.91 ; 107.82,13.92 106.34,13.92 ; 107.64,13.91 106.16,13.91 ; 107.84,14.28 106.36,14.28 ; 106.37,14.59 107.86,14.59 107.88,14.57 ; 107.85,14.37 106.37,14.37 ; 107.45,13.91 105.97,13.91 ; 106.97,15.03 105.49,15.03 ; 107.76,14.29 106.33,14.29 ; 107.76,14.4 107.73,14.43 105.75,14.43 105.53,14.64 105.42,14.64 103.17,16.89 ; 107.76,14.4 107.64,14.28 ; 107.25,13.92 105.77,13.92 ; 107.87,15.02 106.39,15.02 ; 107.87,14.4 106.39,14.4 ; 107.71,14.59 106.23,14.59 ; 107.53,15.03 106.05,15.03 ; 107.53,15.02 106.05,15.02 ; 105.78,14.28 103.53,16.53 ; 103.99,15.66 103.32,15.66 ; 107.63,14.4 106.47,14.4 ; 107.85,14.31 106.37,14.31 ; 107.87,14.41 106.39,14.41 ; 107.85,14.3 106.37,14.3 ; 103.13,16.9 103.13,17.57 ; 107.87,13.92 106.39,13.92 ; 107.85,14.36 106.37,14.36 ; 107.87,14.13 106.39,14.13 ; 107.8,14.28 105.92,14.28 ; 107.88,14.45 106.4,14.45 ; 107.81,13.94 106.33,13.94
  vias: v1(105.69,15.18) v1(105.71,13.68) v1(106.72,15.18) v1(106.74,13.68) v1(107.78,15.18) v1(107.8,13.68)
Net-(C73-Pad2): length 4.5
  Top w0.25: 98.58,38.56 99.24,38.56 ; C73.2 98.88,41.59 98.66,41.82
  Top w0.35: 98.22,38.84 98.26,38.87 98.26,38.88 98.58,38.56
  Top w0.45: 98.26,38.88 98.26,40.84 C73.2
Net-(C74-Pad2): length 4.2
  Top w0.25: 57.46,40.65 58.12,40.65 U8.8
  Top w0.35: 57.14,40.97 57.46,40.65
  Top w0.45: 57.14,40.97 57.14,43.51 C74.2
Net-(C76-Pad1): length 5.4
  Top w0.25: 102.22,38.56 101.71,38.56 ; 103.08,39.37 103.11,39.37 ; 102.83,39.13 102.84,39.13 ; 103.49,39.38 R46.2
  Top w0.35: 103.75,39.51 103.21,39.51 102.84,39.13 ; 102.24,38.59 102.29,38.59 v2(102.52,38.81) 103.08,39.37
  Top w0.5: R45.1 103.49,39.38
  Bottom w0.35: v2(102.52,38.81) 103.06,39.35 C76.1
Net-(C77-Pad1): length 5
  Top w0.25: 61.03,40.66 60.52,40.66 ; v2(61.63,41.26) 61.63,41.26
  Top w0.35: R48.2 62.01,41.63 61.63,41.26 ; v2(61.63,41.26) 61.03,40.66
  Top w0.5: R48.2 63.93,41.63 R47.1
  Bottom w0.25: C77.1 62.43,41.46
  Bottom w0.35: 62.43,41.46 61.83,41.46 v2(61.63,41.26)
Net-(C78-Pad1): length 1.5
  Bottom w0.6: 100.31,26.37 101.66,26.37 101.74,26.28
Net-(C83-Pad2): length 4.1
  Top w0.25: 108.44,42 108.44,42.14 ; 111.46,43.6 U10.3 ; C83.2 110.22,43.6
  Top w0.5: 108.44,42.14 C83.2
  Top w0.6: C83.2 111.46,43.6
Net-(C87-Pad2): length 101.9
  Top w0.25: 99.92,28.07 99.92,28.51 ; 102.26,26.17 F2.2
  Top w0.45: 100.45,27.68 99.82,27.68
  Top w0.5: 104.93,31.77 103.77,31.77 102.26,30.26 F2.2
  Top w0.6: 102.13,28.37 98.48,28.37 98.08,27.97 ; F2.2 101.91,26.08 101.91,27.61 ; 101.33,26.79 101.33,28.32 ; 96.54,28.02 94.92,28.02 v1(94.82,28.12) ; 101.96,26.75 101.96,28.28 ; 101.77,26.7 101.77,28.23 ; 98.06,27.98 98.95,28.87 102.11,28.87 ; 101.88,26.69 101.88,28.22 ; 101.39,26.8 101.39,28.33
  Top w0.8: 95.82,28.3 95.82,28.3 ; 95.82,28.3 99.11,28.3 ; 95.82,28.3 94.99,28.3 v1(94.82,28.12) 95.4,28.7 98.33,28.7 ; 99.02,27.9 95.73,27.9 ; 99.07,28.7 95.78,28.7 ; 99,27.46 100.39,27.46 100.76,27.83 ; 99.48,28.7 96.19,28.7 ; 99.93,27.9 96.64,27.9 ; 95.94,28.5 95.94,25.21 ; 99.48,27.78 96.19,27.78 ; 103.38,25.93 103.38,27.7 102.24,28.84 ; 96.99,27.46 98.59,27.46 ; 95.94,27.26 95.94,23.97 ; 95.7,27.47 95.7,25.32 ; 95.54,25.21 95.54,28.5 ; 95.65,27.46 97.25,27.46 ; 98.8,27.78 100.7,27.78 ; 99.44,28.6 96.15,28.6 ; 95.54,27.3 95.54,24.01 ; 95.7,28.33 95.7,26.18 ; 98.06,27.46 99.66,27.46 ; 95.68,26.57 96.81,27.7
  Top w1: 99.22,28.19 95.94,28.19
  Top w2: 101.5,28.17 102.26,27.41 F2.2 99.92,28.07 ; 101.61,25.68 99.27,28.02
  Bottom w0.25: 95.75,28.12 D4.1
  Bottom w0.8: 95.75,28.12 v1(94.82,28.12)